# Altium PCB QuizBoard.PcbDoc
Units mm, origin at the board's own origin, x right, y up, seen from the top; angles counter-clockwise.
Board outline 104.3 x 90.13 mm, 2 copper layers (Top Layer, Bottom Layer); 30 components, 34 nets, 127 pads, 20 vias.
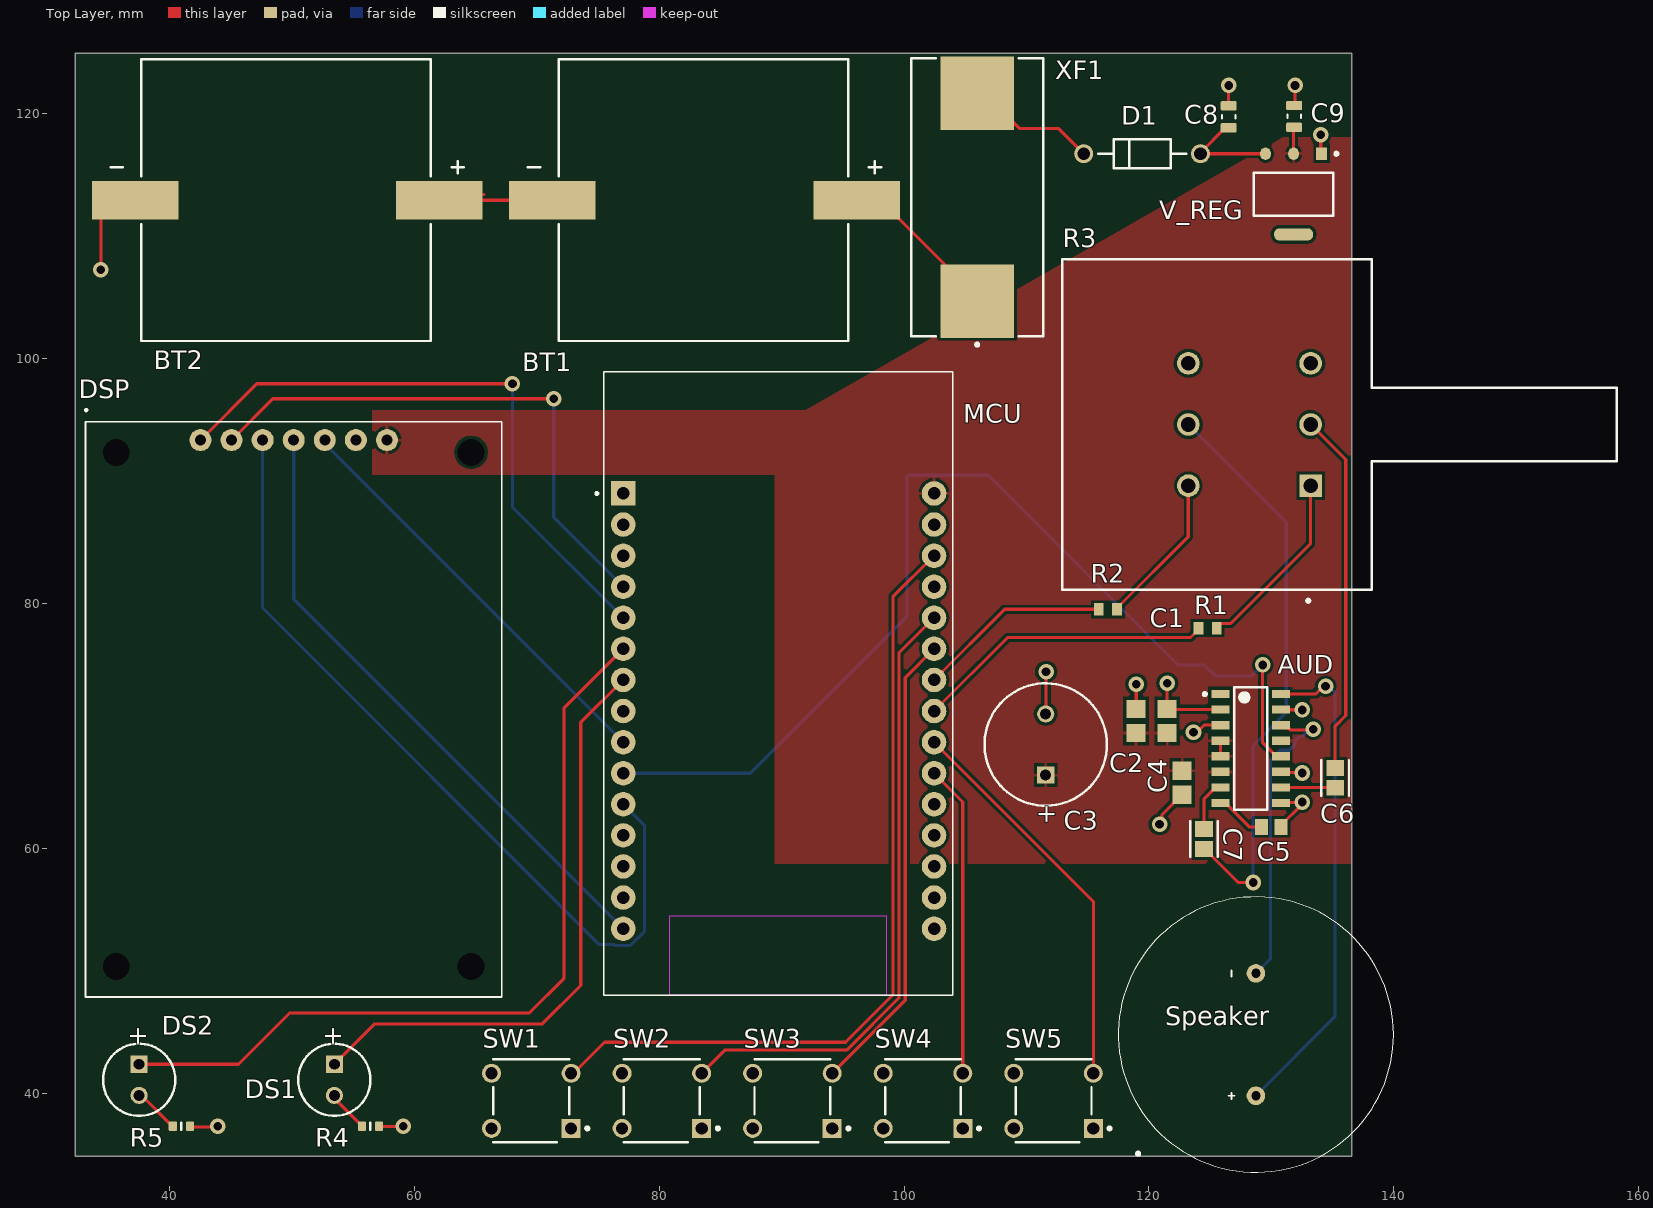
[diagram p0: Top Layer view]
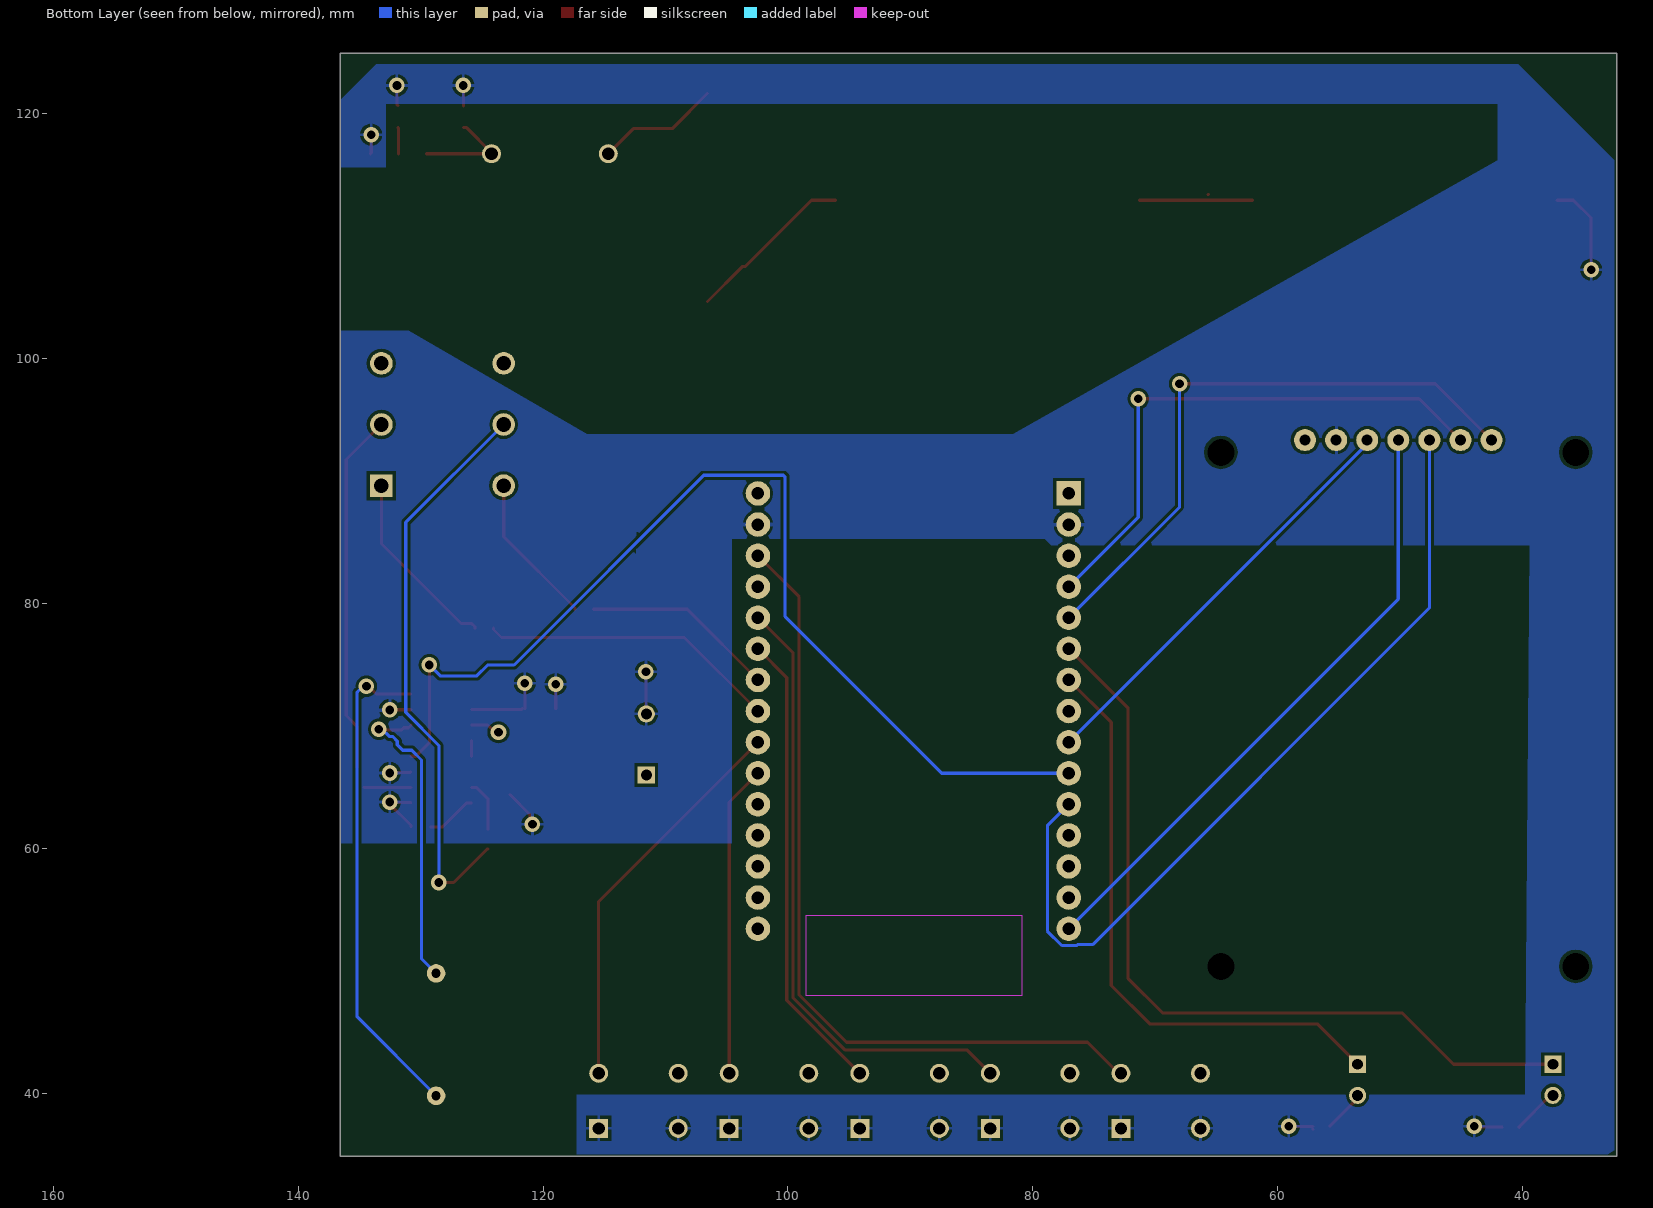
[diagram p1: Bottom Layer view, seen from below]
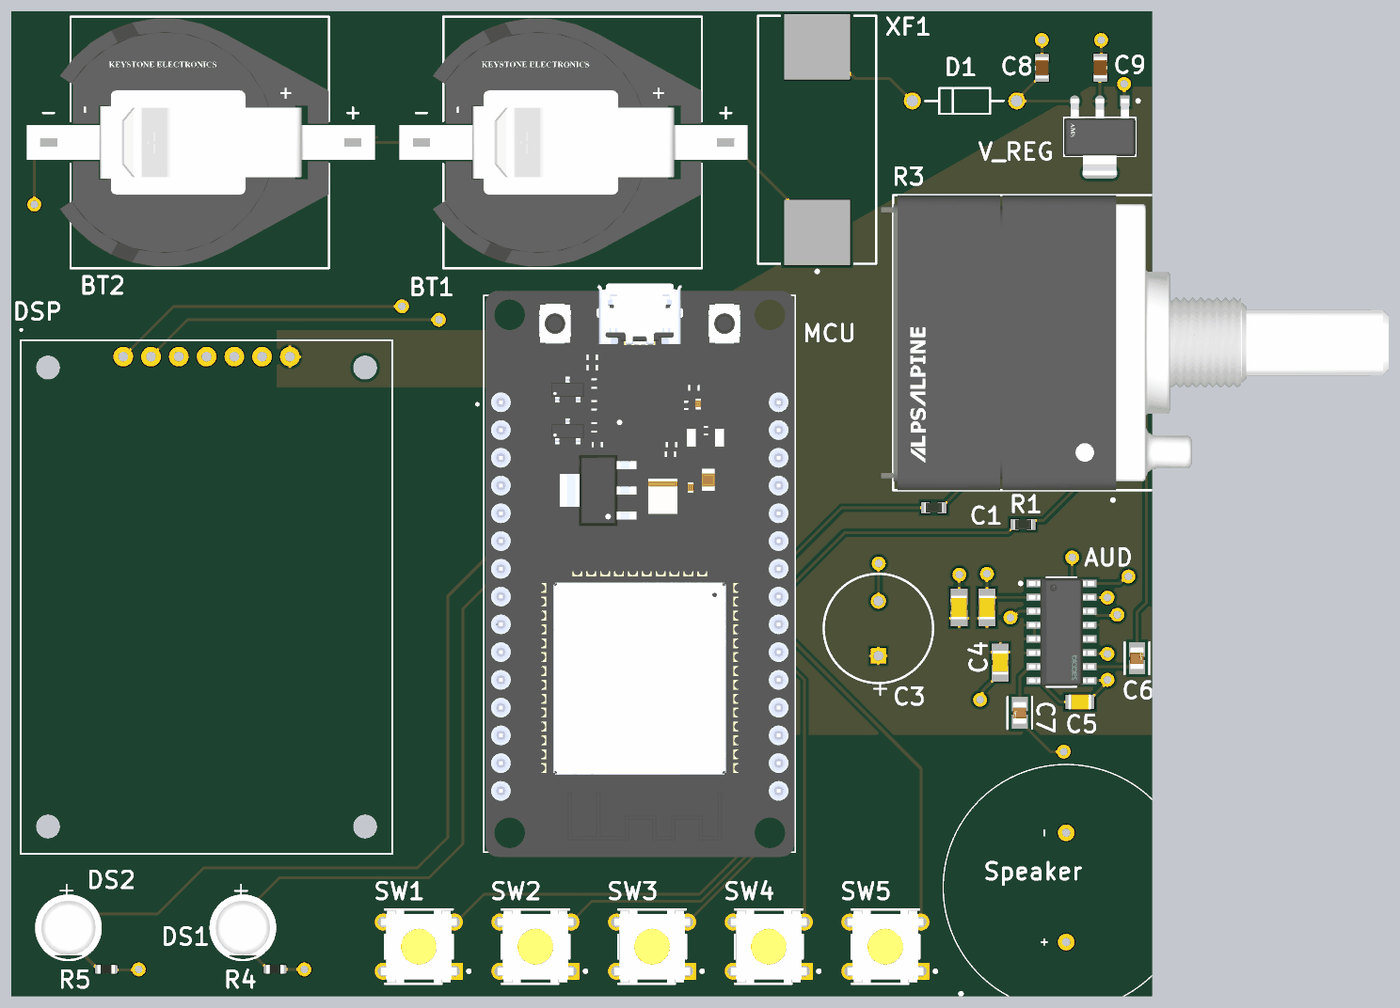
[diagram p2: 3D render of the assembled board from above, using the file's embedded part models]

## Layer stack, top to bottom
Top Solder: solder mask 0.0102, Solder Resist, Dk 3.5
Top Layer: signal copper 0.0356
Dielectric 1: dielectric 0.32, FR-4, Dk 4.8
Bottom Layer: signal copper 0.0356
Bottom Solder: solder mask 0.0102, Solder Resist, Dk 3.5

## Board outline
32.287,34.823 32.287,124.95 136.587,124.95 136.587,34.823

## Design rules (kind name [scope] priority, off if disabled: settings)
Clearance [All] p1: gap=0.254 ignorepadtopadclearanceinfootprint=FALSE
PolygonConnect [All] p1: connectstyle=Relief reliefconductorwidth=0.254 reliefentries=4 polygonreliefangle="90 Angle" airgapwidth=0.254
RoutingVias [All] p1: holewidth=0.711 width=1.27 viastyle="Through Hole" minholewidth=0.711 minwidth=1.27 maxholewidth=0.711 maxwidth=1.27
SolderMaskExpansion [All] p1: expansion=0.102 istentingtop=FALSE
SupplyNets "Schematic Supply Nets_1" [InNet('3V3')] p1: voltage=0.000
SupplyNets "Schematic Supply Nets" [InNet('GND')] p2: voltage=0.000
Width [All] p1: maxlimit=0.254 minlimit=0.254 preferedwidth=0.254
30 further rules are at their usual default settings.

## Classes and differential pairs
component class PowerSource: BT1 BT2 C8 C9 D1 V_REG XF1
component class Microcontroller: DS1 DS2 MCU R4 R5 SW1 SW2 SW3 SW4 SW5
component class Display: DSP
component class Audio: AUD C1 C2 C3 C4 C5 C6 C7 R1 R2 R3 SP1

## Components (designator, comment, footprint, x,y, rotation, side; value= is the part's Value field where it differs from the comment)
AUD "PAM8403DR" FP-SO-16-MFG 128.325,68.15 r0 top
BT1 "1063" FP-1063-MFG 83.695,112.95 r90 top
BT2 "1063" FP-1063-MFG 49.6,112.95 r90 top
C1 "Capacitor 1 uF +/- 10% 25 V 0805" CAPC2013X145X50ML20T25 121.5,70.4 r90 top value=1µF
C2 "Capacitor 1 uF +/- 10% 25 V 0805" CAPC2013X145X50ML20T25 118.95,70.4 r90 top value=1µF
C3 "ECA-1HM471" CAPPR65-500-2000X1000X2200 111.575,68.475 r90 top value=470µF
C4 "Capacitor 1 uF +/- 10% 25 V 0805" CAPC2013X145X50ML20T25 122.725,65.35 r270 top value=1µF
C5 "Capacitor 100 nF +/-10% 50 V 0805" CAPC2013X95X50LL10T25 130,61.75 r0 top value=100nF
C6 "08055C474J4Z2A" FP-0805-L_2_01_0_2-W_1_25-IPC_B 135.225,65.75 r90 top
C7 "08055C474J4Z2A" FP-0805-L_2_01_0_2-W_1_25-IPC_B 124.5,60.75 r270 top
C8 "Capacitor 10µF +/-20% 25V 0805" CAPC0805(2012)145_L 126.525,119.775 r90 top value=10µF
C9 "Capacitor 22µF +/-40% 16V 0805" CAPC0805(2012)145_L 131.875,119.8 r90 top value=22µF
D1 "1N5819" ONSC-AXIAL_LEAD-2-59-10_P 119.45,116.75 r0 top
DS1 "WP7113SRD/D" KING-WP7113SRDD_V 53.45,41.08 r270 top
DS2 "WP7113SGC" KING-WP7113SGC_V 37.5,41.08 r270 top
DSP "Display OLED 128x128" "Display OLED 128x128" 50.13,71.35 r0 top
MCU "ESP32-DEVKIT-V1" MODULE_ESP32_DEVKIT_V1 89.75,73.475 r0 top
R1 "Resistor 1k +/-1% 0603 100 mW" RESC1608X55X25ML10T15 124.804,77.979 r0 top value=18k
R2 "Resistor 1k +/-1% 0603 100 mW" RESC1608X55X25ML10T15 116.65,79.525 r0 top value=18k
R3 "RK27112A00A5" FP-RK27112A00A5-MFG 135.575,94.625 r90 top value=100kΩ
R4 "Resistor 120R +/-5 % 0603 0.1 W" RESC0603(1608)_L 56.4,37.285 r0 top value=120
R5 "Resistor 120R +/-5 % 0603 0.1 W" RESC0603(1608)_L 40.95,37.285 r0 top value=120
Speaker "Speaker" Speaker 128.758,44.762 r90 top
SW1 "B3W-1022" FP-B3W-1022-MFG 69.543,39.362 r0 top
SW2 "B3W-1022" FP-B3W-1022-MFG 80.211,39.362 r0 top
SW3 "B3W-1022" FP-B3W-1022-MFG 90.879,39.362 r0 top
SW4 "B3W-1022" FP-B3W-1022-MFG 101.547,39.362 r0 top
SW5 "B3W-1022" FP-B3W-1022-MFG 112.215,39.362 r0 top
V_REG "ams1117" FP-ams1117-IPC_C 131.825,113.45 r270 top
XF1 "31.8221" SCHUR-31.8221-2_V 105.975,113.2 r90 top

## Footprints (in the part's own frame and the unit in brackets; to place one, negate y for a bottom-side part, rotate by r counter-clockwise, add the part's x,y. Pads: shape width x height; smd on the part's side, far side on the other; paste and mask are expansions set on the pad)
CAPC0805(2012)145_L [mm] "Chip Capacitor, Body 2.0x1.2mm, Height 1.45mm, IPC High Density"
  rrect25% 0.76x1.3 smd: 1(-0.9,0) 2(0.89,0)
  silkscreen extent -0.15,-0.55 0.15,0.55, body extent -1,-0.6 1,0.6, height 1.45
CAPC2013X95X50LL10T25 [mm] "Chip Capacitor, 2-Leads, Body 2.10x1.35mm, IPC High Density"
  rect 1.05x1.3 smd: 1(-0.805,0) 2(0.805,0)
  body extent -1.05,-0.67 1.05,0.67, height 0.95
CAPC2013X145X50ML20T25 [mm] "Chip Capacitor, 2-Leads, Body 2.2x1.45mm, IPC Low Density"
  rect 1.5x1.55 smd: 1(-0.98,0) 2(0.98,0)
  body extent -1.1,-0.72 1.1,0.73, height 1.45
CAPPR65-500-2000X1000X2200 [mm] "THD, 2-Leads, Dia 10mm, Pin Spacing 5mm"
  rect 1.4x1.4 hole 0.9: 1(-2.5,0)
  round 1.4 hole 0.9: 2(2.5,0)
  silkscreen extent -5,-5 5,5, body extent -5,-5 4.95,5, height 22
"Display OLED 128x128" [mm]
  round 1.8 hole 0.9: CS(-5.08,22) DC(-2.54,22) GND(5.08,22) MOSI(0,22) RST(-7.62,22) SCK(2.54,22) VCC(7.62,22)
  round 0 hole 2.2 unplated: HOLE1(-14.5,21) HOLE2(14.5,21) HOLE3(-14.5,-21) HOLE4(14.5,-21)
  silkscreen extent -17,-23.5 17,24.5
FP-0805-L_2_01_0_2-W_1_25-IPC_B [mm]
  rect 1.305x1.456 smd paste+0 mask+0: 1(-0.806,0) 2(0.806,0)
  silkscreen extent -1.46,-1.13 1.46,1.13, body extent -1.71,-0.98 1.71,0.98, height 0.25
FP-1063-MFG [mm]
  rect 3.17x7.06 smd paste+0 mask+0: 1(0,12.43) 2(0,-12.43)
  silkscreen extent -11.51,-14.43 11.51,14.43, body extent -11.61,-16.16 11.61,16.16, height 0.25
FP-ams1117-IPC_C [mm]
  rect 1.004x0.872 smd paste+0 mask+0: 1(-3.295,2.29)
  rrect100% 1.004x0.872 smd paste+0 mask+0: 2(-3.295,0) 3(-3.295,-2.29)
  rrect87% 1.004x3.182 smd paste+0 mask+0: 4(3.295,0)
  silkscreen extent -3.42,-3.25 1.75,3.63, body extent -3.9,-3.35 3.9,3.35, height 0.25
FP-B3W-1022-MFG [mm]
  rect 1.55x1.55 hole 1 paste-2539.97 mask+0: 1(3.25,-2.25)
  round 1.55 hole 1 paste-2539.97 mask+0: 2(-3.25,-2.25) 3(3.25,2.25) 4(-3.25,2.25)
  silkscreen extent -3.1,-3.4 4.7,3.4, body extent -4.13,-3.5 4.13,3.5, height 0.25
FP-RK27112A00A5-MFG [mm]
  rect 1.85x1.85 hole 1.2 paste-2539.97 mask+0: 1_R1(-5,2.35)
  round 1.85 hole 1.2 paste-2539.97 mask+0: 1_R2(-5,12.35) 2_R1(0,2.35) 2_R2(0,12.35) 3_R1(5,2.35) 3_R2(5,12.35)
  silkscreen extent -14.52,-22.65 13.5,22.65, body extent -13.6,-22.75 13.6,22.75, height 0.25
FP-SO-16-MFG [mm]
  rect 1.45x0.67 smd paste+0 mask+0: 1(-2.475,4.445) 2(-2.475,3.175) 3(-2.475,1.905) 4(-2.475,0.635) 5(-2.475,-0.635) 6(-2.475,-1.905) 7(-2.475,-3.175) 8(-2.475,-4.445) 9(2.475,-4.445) 10(2.475,-3.175) 11(2.475,-1.905) 12(2.475,-0.635) 13(2.475,0.635) 14(2.475,1.905) 15(2.475,3.175) 16(2.475,4.445)
  silkscreen extent -3.87,-5 1.35,5, body extent -3.3,-5.1 3.3,5.1, height 0.25
KING-WP7113SGC_V [mm] "THD, 2-Leads, Dia 5.9mm, Body Length 8.6mm"
  rect 1.4x1.4 hole 0.889: 1(-1.27,0)
  round 1.4 hole 0.889: 2(1.27,0)
  silkscreen extent -2.95,-2.95 2.95,2.95, body extent -2.95,-2.95 2.5,2.95, height 15.5
KING-WP7113SRDD_V [mm] "THD, 2-Leads, Dia 5.9mm, Body Length 8.6mm"
  rect 1.4x1.4 hole 0.889: 1(-1.27,0)
  round 1.4 hole 0.889: 2(1.27,0)
  silkscreen extent -2.95,-2.95 2.95,2.95, body extent -2.95,-2.95 2.5,2.95, height 15.5
MODULE_ESP32_DEVKIT_V1 [mm]
  rect 2x2 / inner round 2 / far side rect 2x2 hole 1.02: 1(-12.7,15.515)
  round 2 hole 1.02: 2(-12.7,12.975) 3(-12.7,10.435) 4(-12.7,7.895) 5(-12.7,5.355) 6(-12.7,2.815) 7(-12.7,0.275) 8(-12.7,-2.265) 9(-12.7,-4.805) 10(-12.7,-7.345) 11(-12.7,-9.885) 12(-12.7,-12.425) 13(-12.7,-14.965) 14(-12.7,-17.505) 15(-12.7,-20.045) 16(12.7,-20.045) 17(12.7,-17.505) 18(12.7,-14.965) 19(12.7,-12.425) 20(12.7,-9.885) 21(12.7,-7.345) 22(12.7,-4.805) 23(12.7,-2.265) 24(12.7,0.275) 25(12.7,2.815) 26(12.7,5.355) 27(12.7,7.895) 28(12.7,10.435) 29(12.7,12.975) 30(12.7,15.515)
  Keep-Out Layer region: 8.78,-25.475 -8.91,-25.475 -8.91,-18.985 8.78,-18.985
  Keep-Out Layer region: 8.78,-25.475 -8.91,-25.475 -8.91,-18.985 8.78,-18.985
  silkscreen extent -14.95,-25.48 14.23,25.48, body extent -14.1,-25.9 14.1,26.55, height 7.05
ONSC-AXIAL_LEAD-2-59-10_P [mm] "AXIAL, 2-Leads, Diameter 2.35mm"
  round 1.55 hole 1.05: 1(-4.77,0) 2(4.77,0)
  silkscreen extent -3.59,-1.17 3.59,1.17, body extent -5.16,-1.17 5.16,1.17, height 2.34
RESC0603(1608)_L [mm] "Chip Resistor, Body 1.6x0.8mm, IPC High Density"
  rrect25% 0.66x0.76 smd: 1(-0.7,0) 2(0.7,0)
  silkscreen extent 0,-0.3 0,0.3, body extent -0.8,-0.4 0.8,0.4, height 0.45
RESC1608X55X25ML10T15 [mm] "Chip Resistor, 2-Leads, Body 1.70x0.90mm, IPC Low Density"
  rect 0.8x1 smd: 1(-0.75,0) 2(0.75,0)
  body extent -0.85,-0.45 0.85,0.45, height 0.55
SCHUR-31.8221-2_V [mm] "SMD, 2-Leads, Body 22.7x10.8mm, Height 13.2mm"
  rect 6x6 smd: 1(-8.5,0) 2(8.5,0)
  silkscreen extent -12.17,-5.4 11.35,5.4, body extent -11.35,-5.4 11.35,5.4, height 13.2
Speaker [mil]
  round 60 hole 30: 1(-196.34,0.31) 2(197.36,0.31)
  silkscreen extent -442,-443 443,443

## Part data
AUD: library part CMP-12733-000001-1, "IC AMP CLASS D STEREO 3W 16SOP", Manufacturer="Diodes Inc.", Max Junction Temp=+125°C, Max Supply Voltage=5.5V, Min Supply Voltage=2.5V, Nominal Supply Current=8-16mA, Package=SO-16, Power At Speaker R="3.2W @ 4Ω", Temperature="-40°C to +85°C", Temperature Range High=+85°C, Temperature Range Low=-40°C, Automotive=No, Category=IC, ComponentLink2Description=Datasheet, ComponentLink2URL=https://www.diodes.com/assets/Datasheets/PAM8403.pdf, Device Class L1="Integrated Circuits (ICs)", Device Class L2="Linear ICs", Device Class L3="Amplifiers - Audio", Digikey Description="IC AMP CLASS D STEREO 3W 16SOP", Footprint Url=https://www.diodes.com/assets/Package-Files/SO-16.pdf, Height=1.26mm, Ipc Land Pattern Name=SOIC127P600X119-16, Lead Free=Yes, Manufacturer Part Number=PAM8403DR, Mouser Description="PAM8403 Series 5.5 V 3 W Filterless Class-D Stereo Audio Amplifier - SOIC-16", Number Of Channels=2, Octopart=https://octopart.com/pam8403dr-diodes+inc.-29030487, RoHS=TRUE, Standoff Height=0.1mm
BT1 BT2: library part CMP-19636-000032-1, "BATT HLD COIN 20MM 1 OR 2CEL SMD", Color=Black, Max Operating Temperature=145°C, Min Operating Temperature=-50°C, Package Quantity=1, Body Material=Nylon, Material=Steel, Mount="Surface Mount", Number of Batteries=2, Number of Cells=2, Series=-, Termination=SMD/SMT
C1 C2 C4: library part CMP-001-00010-6, "Chip Capacitor, 1 uF, +/-10%, 25 V, 0805 (2012 Metric)", Capacitor Type=Ceramic, Case/Package=0805, Max Operating Temperature=125°C, Min Operating Temperature=-55°C, Tolerance=10%, Voltage Rating=25V, Mounting Technology=SM, Pins=2, RoHS Compliant=True
C3: library part CMP-001-00032-8, "Aluminum Electrolytic Capacitor, 470 uF, +/- 20%, 50 V, -40 to 85 degC, 2-Pin THD, RoHS, Bulk", Capacitor Type=Electrolytic, Case/Package=Radial, Manufacturer=Panasonic, Max Operating Temperature=85°C, Min Operating Temperature=-40°C, Package Description="2-Pin Radial Lead, Dia 10 mm, Height 22 mm", Package Quantity=200, Package Reference=CAPPR65-500-2000X1000X2200, Ripple Current=650mA, Tolerance=20%, Voltage Rating=50V, Datasheet URL=http://industrial.panasonic.com/cdbs/www-data/pdf/RDF0000/ABA0000C1047.pdf, Datasheet Version=Mar-16, Diameter=10mm, Lead Pitch=5mm, Manufacturer URL=http://www.panasonic.com/, Mounting Technology=TH, Packaging=Bulk, Pins=2, Ripple Current (AC)=650mA, RoHS Compliant=True
C5: library part CMP-001-00018-6, "Chip Capacitor, 100 nF, +/- 10%, 50 V, 0805 (2012 Metric)", Capacitor Type=Ceramic, Case/Package=0805, Max Operating Temperature=125°C, Min Operating Temperature=-55°C, Tolerance=10%, Voltage Rating=50V, Mounting Technology=SM, Pins=2, RoHS Compliant=True
C6 C7: library part CMP-04427-003155-1, "Automotive Ceramic Capacitor, 0805, 470nF, 5%, X7R, 15%, 50V", Capacitance=470nF, Case/Package=0805, Dielectric=X7R, Max Operating Temperature=125°C, Min Operating Temperature=-55°C, Package Quantity=2000, Tolerance=5%, Voltage Rating (DC)=50V, Construction=Flat, Depth=1.25mm, Length=2.01mm, Mount="Surface Mount", Packaging="Tape and Reel", Radiation Hardening=No, RoHS Compliant=Yes
C8: library part CMP-001-00079-4, "Chip Capacitor, 10µF +/-20%, 25V, 0805, Thickness 1.45 mm", Case/Package=0805, Max Operating Temperature=85°C, Min Operating Temperature=-55°C, Tolerance=10%, Voltage Rating=25V, Mounting Technology=SMT, Pins=2
C9: library part CMP-001-00081-4, "Chip Capacitor, 22µF +/-40%, 16V, 0805, Thickness 1.45 mm", Case/Package=0805, Max Operating Temperature=85°C, Min Operating Temperature=-55°C, Tolerance=5%, Voltage Rating=16V, Mounting Technology=SMT, Pins=2
D1: library part CMP-004-00009-2, "Low Drop Power Schottky Rectifier, 40 V, 1 A, 2-Pin DO-41, RoHS", Case/Package=DO, Forward Current=1A, Manufacturer="ON Semiconductor", Max Operating Temperature=125°C, Max Surge Current=25A, Min Operating Temperature=-65°C, Package Description="2-Pin, Axial Lead, Diameter 2.35 mm", Package Reference=AXIAL_LEAD-2-59-10, Package Version="Rev. U, 02/2005", Peak Reverse Current=1mA, Datasheet URL=http://www.onsemi.cn/pub_link/Collateral/1N5817-D.PDF, Datasheet Version="Rev. 10, 07/2006", Manufacturer URL=http://www.onsemi.com/, Mounting Technology=TH, Package URL=http://www.onsemi.cn/pub_link/Collateral/59-10.PDF, Packaging=Bulk, Pins=2, RoHS Compliant=True
DS1: library part CMP-007-00033-2, "The Super Bright Red Source Color Device, 1.85 V, -40 to 85 degC, 2-Pin THD, RoHS, Tape and Reel", Case/Package=Radial, Colour=Red, Forward Voltage=1.85V, Manufacturer=Kingbright, Package Description="2-Pin Through Hole Device, Dia 5.9 mm, Body Length 8.6 mm", Package Quantity=500, Package Reference=WP7113SRDD, Datasheet URL=http://www.kingbrightusa.com/images/catalog/SPEC/WP7113SRD-D.pdf, Datasheet Version="Rev. 6A, 07/2016", Illumination Colour=Red, Lens Style=Diffused, Luminous Intensity=300mcd, Mounting Technology=TH, Nominal Vf=1.85V, Packaging=Bulk, RoHS Compliant=True, Viewing Angle=30degrees
DS2: library part CMP-007-00032-2, "The Super Bright Green Source Color Device, 2.2 V, -40 to 85 degC, 2-Pin THD, RoHS, Tape and Reel", Case/Package=Radial, Colour=Green, Forward Voltage=2.2V, Manufacturer=Kingbright, Package Description="2-Pin Through Hole Device, Dia 5.9 mm, Body Length 8.6 mm", Package Quantity=1000, Datasheet URL=http://www.kingbrightusa.com/images/catalog/SPEC/WP7113SGC.pdf, Datasheet Version="Rev. 9B, 01/2015", Illumination Colour=Green, Lens Style=Clear, Luminous Intensity=200mcd, Mounting Technology=TH, Nominal Vf=2.2V, Package Reference=WP7113SGC, Packaging=Bulk, RoHS Compliant=True, Viewing Angle=20degrees
DSP: library part CMP-001-0000-1, "Display OLED 128x128 SPI"
MCU: library part CMP-007-000000-1, "Dual core, Wi-Fi: 2.4 GHz up to 150 Mbits/s,BLE (Bluetooth Low Energy) and legacy Bluetooth, 32 bits, Up to 240 MHz", Package=None, Check_prices=https://www.snapeda.com/parts/ESP32-DEVKIT-V1/Do+it/view-part/?ref=eda, Component Type=Standard, Design Item ID=ESP32-DEVKIT-V1, MF="Do it", MP=ESP32-DEVKIT-V1, Pin Count=30, SnapEDA_Link=https://www.snapeda.com/parts/ESP32-DEVKIT-V1/Do+it/view-part/?ref=snap, Source=ESP32-DEVKIT-V1.SchLib
R1 R2: library part CMP-009-00014-5, "Chip Resistor, 1 KOhm, +/-1%, 0.1 W, -55 to 155 degC, 0603 (1608 Metric)", Case/Package=0603, Max Operating Temperature=155°C, Min Operating Temperature=-55°C, Power=100mW, Tolerance=1%, Voltage Rating=50V, Mounting Technology=SM, Pins=2, RoHS Compliant=True
R3: library part CMP-24118-000001-1, "Alps RK27 Series, Logarithmic Carbon Film Potentiometer with a 6 mm Dia. Shaft, 10k, 20%, 0.05W", Manufacturer="Alps Alpine", Package=0, Power Rating=0.05W, Resistance=100kΩ, Temperature="-10°C to +70°C", Temperature Range High=+70°C, Temperature Range Low=-10°C, Tolerance=20%, Voltage Rating=30V, Automotive=No, Category=Res, ComponentLink2Description=Datasheet, ComponentLink2URL=https://tech.alpsalpine.com/prod/e/html/potentiometer/rotarypotentiometers/rk271/rk27112a00ak.html, Device Class L1="Passive Components", Device Class L2=Resistors, Device Class L3="Variable Resistors and Potentiometers", Height=24.5mm, Lead Free=Yes, Manufacturer Part Number=RK27112A00A5, Octopart=https://octopart.com/rk27112a00a5-alps-24942707, RoHS=TRUE, Series=RK271
R4 R5: library part CMP-009-00176-3, "Chip Resistor, 120 Ohms, +/-5 %, 0.1 W, -55 to 155 degC, 0603", Case/Package=0603, Max Operating Temperature=155°C, Min Operating Temperature=-55°C, Power=100mW, Tolerance=5%, Pins=2
SW1 SW2 SW3 SW4 SW5: library part CMP-08834-000055-1, "SWITCH TACTILE SPST-NO 0.05A 24V", Max Operating Temperature=70°C, Min Operating Temperature=-25°C, Operating Force=230gf, Ratings=IP67, Actuator Type=Standard, Illumination Type=Non-Illuminated, Mechanical Life=1000000Cycles, Mount="Through Hole", Packaging=Bulk, RoHS Compliant=Yes, Switch Function=Off-Mom, Switch Travel=0.25mm, Termination="PC Pin", Throw Configuration=SPST
V_REG: library part CMP-209535-000002-1, "1A LOW DROPOUT VOLTAGE REGULATOR", RoHS Compliant=Yes
XF1: library part CMP-2000-05340-1, "Fuseholder Block & Clip, 250 V, 10 A, -40 to 85 degC, 2-Pin SMD, RoHS, Tape and Reel", Manufacturer=Schurter, Datasheet URL=http://www.schurter.com/var/schurter/storage/ilcatalogue/files/document/datasheet/en/pdf/typ_OGN-SMD.pdf, Datasheet Version=Feb-16, Manufacturer URL=http://www.schurter.com/, Package URL=http://www.schurter.com/var/schurter/storage/ilcatalogue/files/document/datasheet/en/pdf/typ_OGN-SMD.pdf

## Via types
v1: diameter 1.27, hole 0.711, Top Layer to Bottom Layer, 20 vias

## Nets (pads, with @x,y where several pads share a name; then routed paths per layer and width w, separated by ;. In a path a pad name is that pad's centre, name@x,y a point inside that pad or via, vN(x,y) a via of type N, cw(c..) or ccw(c..) an arc to the next point about the centre after c; other vN are vias at no path point)
3V3: AUD.4 AUD.5 AUD.6 AUD.13 C1.1 C2.1 C3.1 C4.1 C9.1 DSP.VCC MCU.30 V_REG.2 | length 3.4
  Top Layer w0.254: AUD.5 AUD.4 ; V_REG.2 131.825,118.85 C9.1
Btn1: MCU.28 SW1.3 | length 66.2
  Top Layer w0.254: SW1.3 72.987,41.612 75.525,44.15 95.219,44.15 99.083,48.014 99.083,80.543 MCU.28
Btn2: MCU.26 SW2.3 | length 50.9
  Top Layer w0.254: SW2.3 85.349,43.5 95.307,43.5 99.591,47.784 99.591,75.971 MCU.26
Btn3: MCU.25 SW3.3 | length 38.1
  Top Layer w0.254: SW3.3 94.137,41.612 100.099,47.574 100.099,73.939 MCU.25
Btn4: MCU.21 SW4.3 | length 25.5
  Top Layer w0.254: MCU.21 104.797,63.783 SW4.3
Btn5: MCU.22 SW5.3 | length 32.4
  Top Layer w0.254: MCU.22 115.465,55.655 SW5.3
GND: AUD.2 AUD.9 AUD.11 AUD.15 BT2.1 C1.2 C2.2 C3.2 C4.2 C5.2 C8.2 C9.2 DSP.GND MCU.2 MCU.29 R4.2 R5.2 SW1.1 SW1.2 SW2.1 SW2.2 SW3.1 SW3.2 SW4.1 SW4.2 SW5.1 SW5.2 V_REG.1 | length 39.8
  Top Layer w0.254: v1(34.375,107.275) 34.375,111.492 35.833,112.95 BT2.1 ; R5.2@41.65,37.2 41.688,37.238 43.888,37.238 v1(43.925,37.275) ; R4.2@57.1,37.025 R4.2@57.125,37.05 ; R4.2@57.11,37.275 v1(59.075,37.275) ; C3.2 111.587,70.987 111.587,74.412 v1(111.6,74.425) ; C2.2 118.975,71.405 v1(118.975,73.4) ; v1(120.875,61.95) 121.069,62.144 121.069,62.739 122.7,64.37 C4.2 ; C1.2 v1(121.5,73.475) ; C1.2@121.7,71.4 121.775,71.325 AUD.2 ; C8.2 v1@126.525,122.375 ; AUD.9 130.835,63.74 v1@132.49,63.74 ; AUD.11 130.847,66.198 132.477,66.198 v1(132.525,66.15) ; AUD.15 130.812,71.312 132.513,71.312 v1(132.525,71.3) ; C5.2 130.805,61.875 132.525,63.595 v1(132.525,63.775) ; C9.2 131.95,120.765 v1(131.95,122.325) ; v1(134.05,118.3) 134.05,116.81 V_REG.1
  other v1: 126.525,122.325
INL: AUD.7 C7.1 | length 4.2
  Top Layer w0.254: C7.1 124.5,64.015 125.46,64.975 AUD.7
INR: AUD.10 C6.1 | length 3.8
  Top Layer w0.254: AUD.10 134.619,64.975 C6.1@134.625,64.969
Led1: DS1.1 MCU.7 | length 49.2
  Top Layer w0.254: DS1.1 56.75,45.65 70.45,45.65 73.583,48.783 73.583,70.283 MCU.7
Led2: DS2.1 MCU.6 | length 66.5
  Top Layer w0.254: DS2.1 45.625,42.35 49.825,46.55 69.4,46.55 72.2,49.35 72.2,71.44 MCU.6
NetAUD_1: AUD.1
NetAUD_3: AUD.3 | length 2.4
  Top Layer w0.254: v1(123.65,69.475) 123.925,69.475 124.505,70.055 AUD.3
NetAUD_8: AUD.8 C5.1 | length 4.2
  Top Layer w0.254: AUD.8 126.24,63.705 128.195,61.75 C5.1
NetAUD_12: AUD.12 MCU.10 | length 84.5
  Top Layer w0.254: v1(129.3,74.975) 129.3,68.625 130.41,67.515 AUD.12
  Bottom Layer w0.254: MCU.10 87.429,66.13 100.225,78.926 100.225,90.326 100.374,90.475 106.875,90.475 122.375,74.975 124.538,74.975 125.429,74.084 128.409,74.084 v1(129.3,74.975)
NetAUD_14: AUD.14 Speaker.2 | length 25.5
  Top Layer w0.254: AUD.14 131.008,69.847 131.398,69.847 131.594,69.651 133.351,69.651 v1(133.425,69.725)
  Bottom Layer w0.254: Speaker.2 129.935,50.96 129.935,67.21 130.733,68.008 131.483,68.008 131.919,68.444 131.919,68.744 132.313,69.137 132.576,69.137 133.164,69.725 v1(133.425,69.725)
NetAUD_16: AUD.16 Speaker.1 | length 40.5
  Top Layer w0.254: AUD.16 130.802,72.598 133.641,72.598 134.277,73.234 v1(134.441,73.234)
  Bottom Layer w0.254: Speaker.1 135.2,46.225 135.2,72.75 135.043,72.907 134.716,73.234 v1(134.441,73.234)
NetBT1_1: BT1.1 BT2.2 | length 9.3
  Top Layer w0.254: BT2.2 BT1.1 ; 65.645,113.4 65.67,113.425
NetBT1_2: BT1.2 XF1.1 | length 13.9
  Top Layer w0.254: BT1.2 98.07,112.95 103.472,107.548 103.702,107.548 XF1.1@106.575,104.675
NetC6_2: C6.2 R3.2_R1 | length 29.6
  Top Layer w0.254: R3.2_R1 136.091,91.759 136.091,70.846 135.225,69.98 C6.2
NetC7_2: C7.2 R3.2_R2 | length 47
  Top Layer w0.254: C7.2 124.576,59.944 127.32,57.2 v1(128.525,57.2)
  Bottom Layer w0.254: R3.2_R2 131.225,86.625 131.225,71.1 128.525,68.4 v1(128.525,57.2)
NetC8_1: C8.1 D1.2 V_REG.3 | length 8.6
  Top Layer w0.254: C8.1 126.255,118.875 124.22,116.84 D1.2 124.222,116.748 129.532,116.748 V_REG.3
NetD1_1: D1.1 XF1.2 | length 10.1
  Top Layer w0.254: XF1.2@106.575,121.675 109.448,118.802 112.628,118.802 D1.1
NetDS1_2: DS1.2 R4.1 | length 3.5
  Top Layer w0.254: DS1.2 53.45,39.585 55.7,37.335 R4.1
NetDS2_2: DS2.2 R5.1 | length 3.9
  Top Layer w0.254: DS2.2 37.69,39.81 40.25,37.25 R5.1@40.25,37.2
NetDSP_CS: DSP.CS MCU.4 | length 45.4
  Top Layer w0.254: DSP.CS 48.425,96.725 v1(71.375,96.725)
  Bottom Layer w0.254: v1(71.375,96.725) 71.375,87.045 MCU.4
NetDSP_DC: DSP.DC MCU.11 | length 67.9
  Bottom Layer w0.254: DSP.DC 47.59,79.635 75.1,52.125 76.323,52.125 76.399,52.049 77.622,52.049 78.8,53.227 78.8,61.84 MCU.11
NetDSP_MOSI: DSP.MOSI MCU.15 | length 51.1
  Bottom Layer w0.254: DSP.MOSI 50.13,80.35 MCU.15
NetDSP_RST: DSP.RST MCU.5 | length 50.3
  Top Layer w0.254: DSP.RST 47.11,97.95 v1(68,97.95)
  Bottom Layer w0.254: v1(68,97.95) 68,87.88 MCU.5
NetDSP_SCK: DSP.SCK MCU.9 | length 34.5
  Bottom Layer w0.254: DSP.SCK@52.67,93.05 MCU.9
NetMCU_23: MCU.23 R1.1 | length 24.5
  Top Layer w0.254: MCU.23 108.465,77.225 123.4,77.225 124.054,77.879 R1.1
NetMCU_24: MCU.24 R2.1 | length 15.8
  Top Layer w0.254: MCU.24 108.225,79.525 R2.1
NetR1_2: R1.2 R3.1_R1 | length 15.3
  Top Layer w0.254: R1.2 125.554,78.079 125.827,78.352 125.927,78.352 125.937,78.363 126.687,78.363 133.225,84.9 R3.1_R1
NetR2_2: R2.2 R3.1_R2 | length 12.5
  Top Layer w0.254: R2.2 117.4,79.625 123.225,85.45 R3.1_R2
pads on no net: DSP.HOLE1 DSP.HOLE2 DSP.HOLE3 DSP.HOLE4 MCU.1 MCU.3 MCU.8 MCU.12 MCU.13 MCU.14 MCU.16 MCU.17 MCU.18 MCU.19 MCU.20 MCU.27 R3.3_R1 R3.3_R2 SW1.4 SW2.4 SW3.4 SW4.4 SW5.4 V_REG.4

## Polygon pours and split planes (outlines as drawn)
GND on Bottom Layer "GND_Plane" (solid, pour order 19): 32.5,35.304 33,35 117.25,35 117.25,39.85 39.761,39.85 39.4,84.775 78.475,84.775 79.02,85.275 104.575,85.275 104.575,60.425 136.575,60.425 136.575,102.275 130.975,102.275 116.4,93.825 81.625,93.825 42,116.225 42,120.825 132.875,120.825 132.875,115.65 136.575,115.65 136.575,121.1 133.625,124.05 40.325,124.05 32.5,116.225
3V3 on Top Layer "Top Layer-3V3" (solid, pour order 21): 89.432,58.727 136.575,58.727 136.575,118.075 130.95,118.075 91.925,95.8 56.55,95.8 56.55,90.525 89.432,90.525

## Other copper
Bottom Layer:
  pour cut-out: 112.375,80.69 112.397,80.69 112.375,87.664

## Text inside footprints (layer, text, board x,y; h text height)
C3: Top Overlay "+" at 112.325,61.925 h1.5 r90
DS1: Top Overlay "+" at 52.705,45.492 h1.5 r270
DS2: Top Overlay "+" at 36.755,45.505 h1.5 r270